# Altium PCB SUDA_V3S.PcbDoc (part 1 of 2)
Units mil, origin at the board's own origin, x right, y up, seen from the top; angles counter-clockwise.
Board outline 3937 x 1968.5 mil, 4 copper layers (TOP, GND02, PWR03, BOT), stack 61.4 mil thick; 147 components, 116 nets, 560 pads, 161 vias.
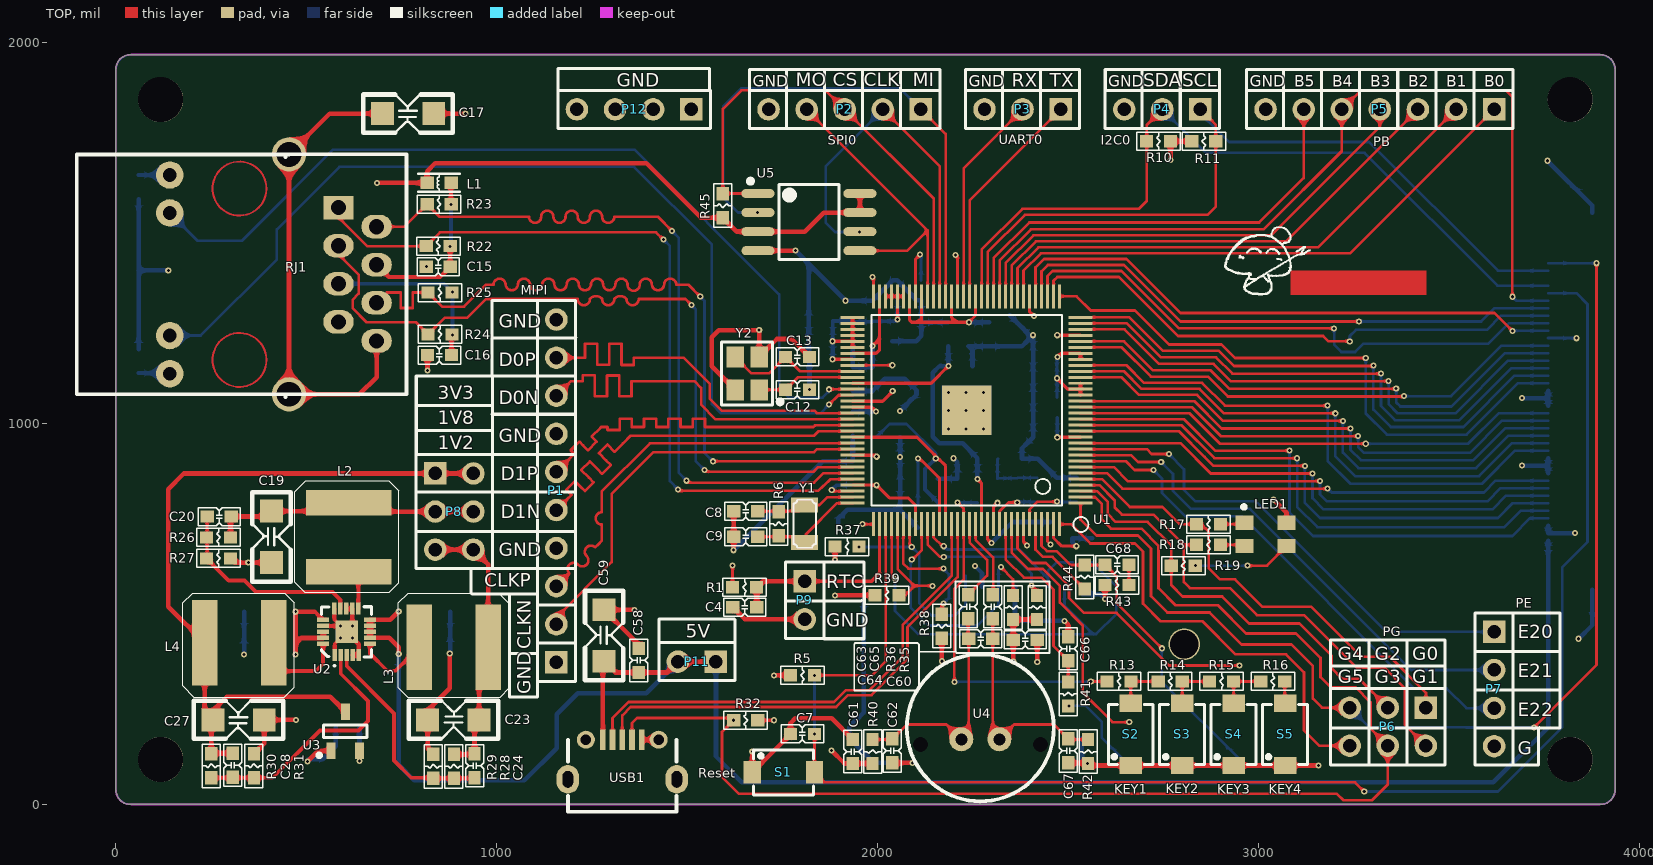
[diagram p0: TOP view]
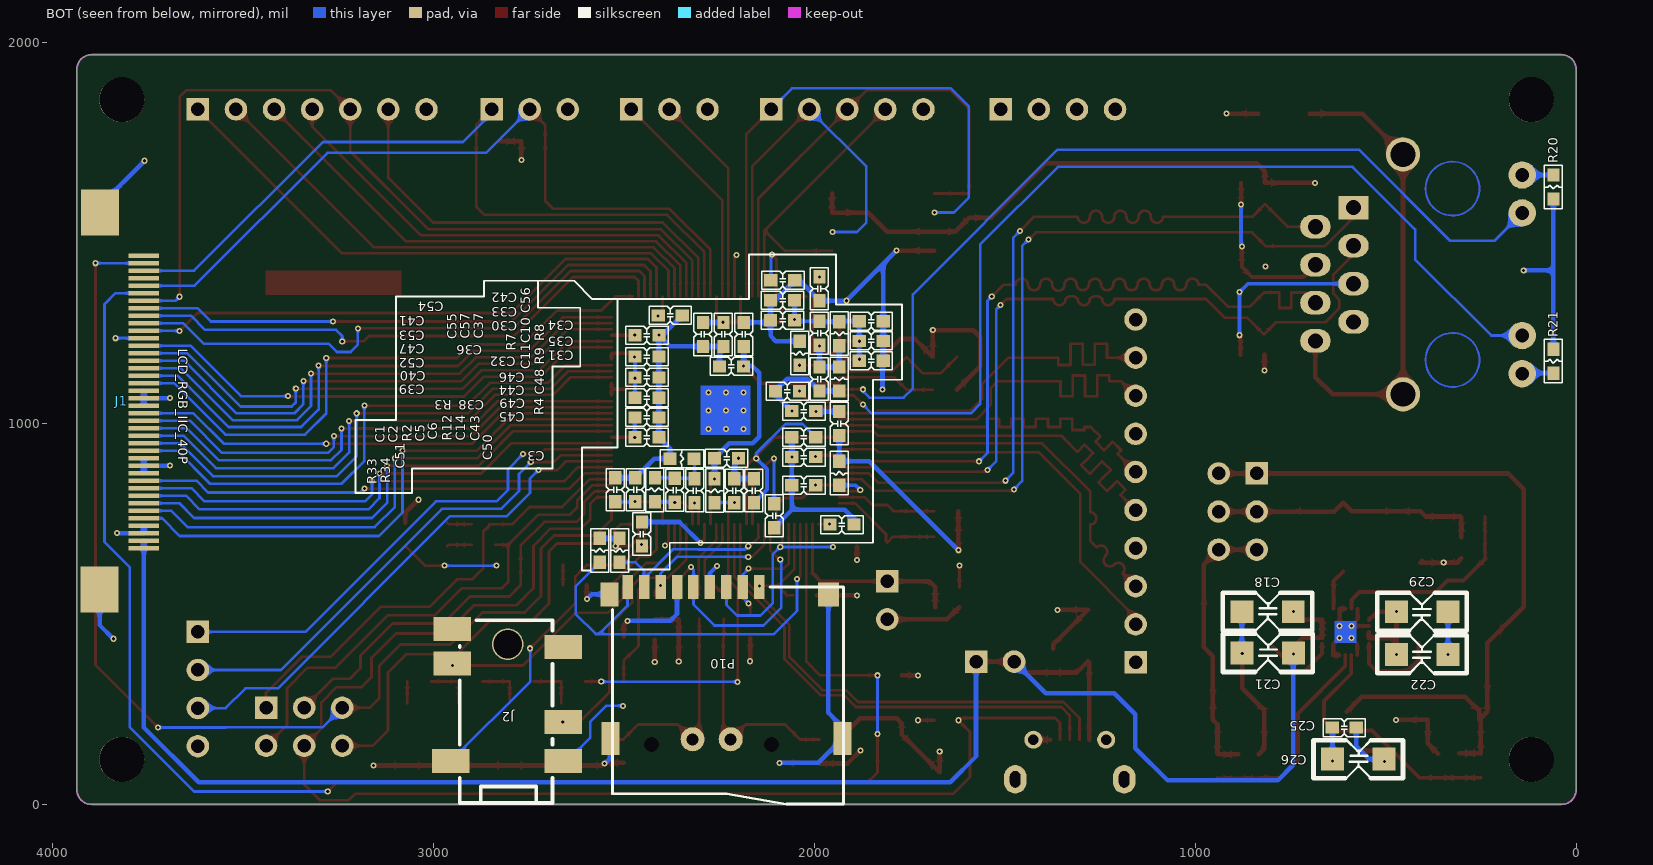
[diagram p1: BOT view, seen from below]
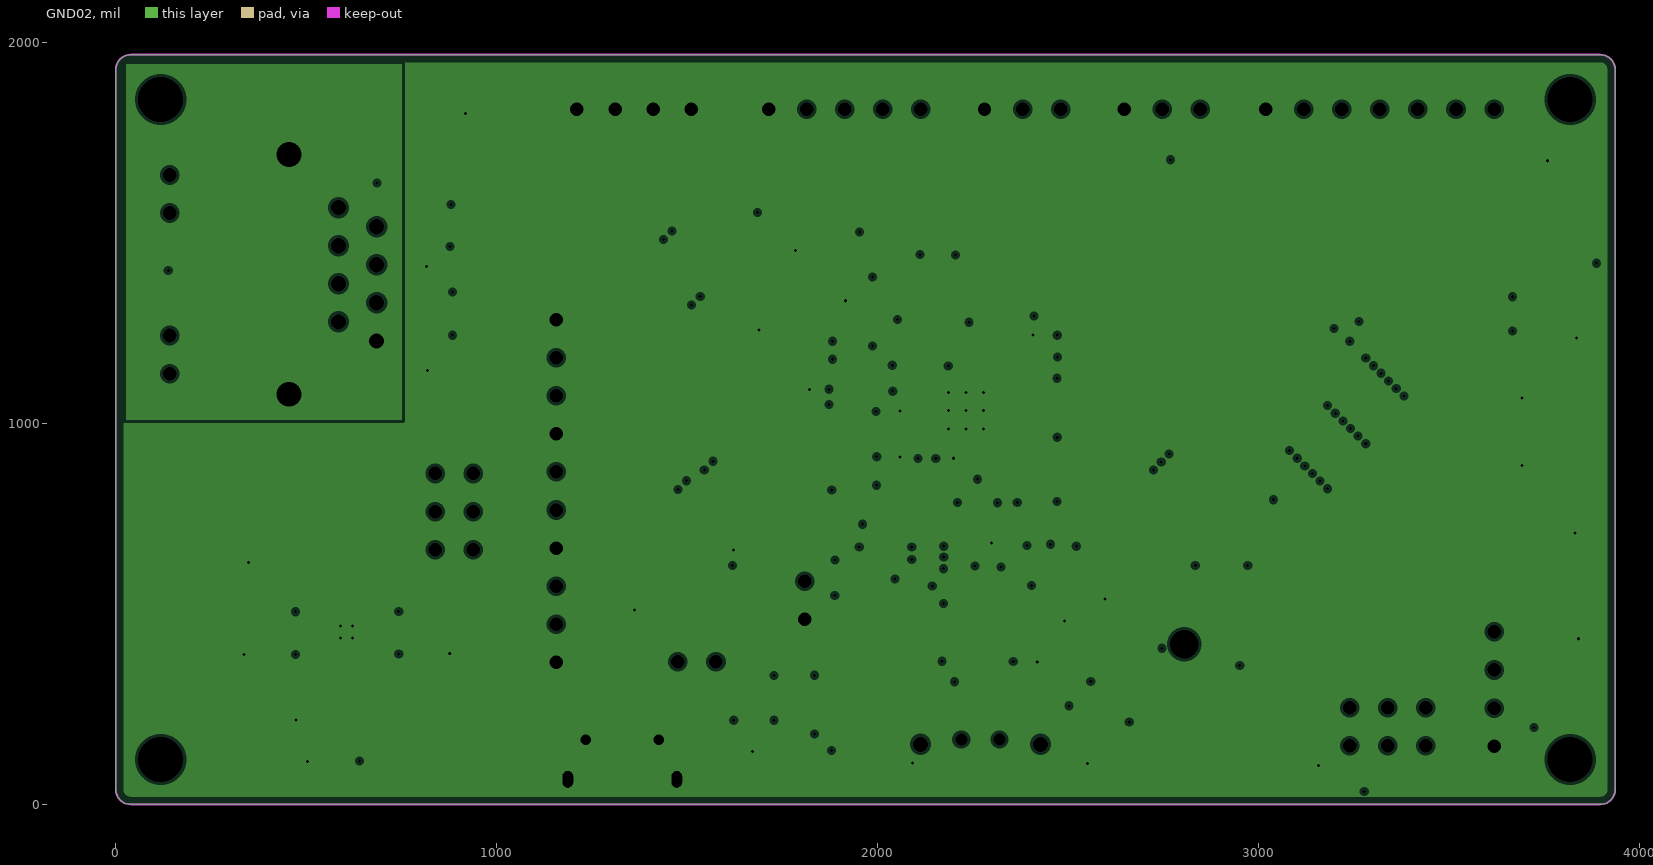
[diagram p2: GND02, clearances drawn from the general rule]
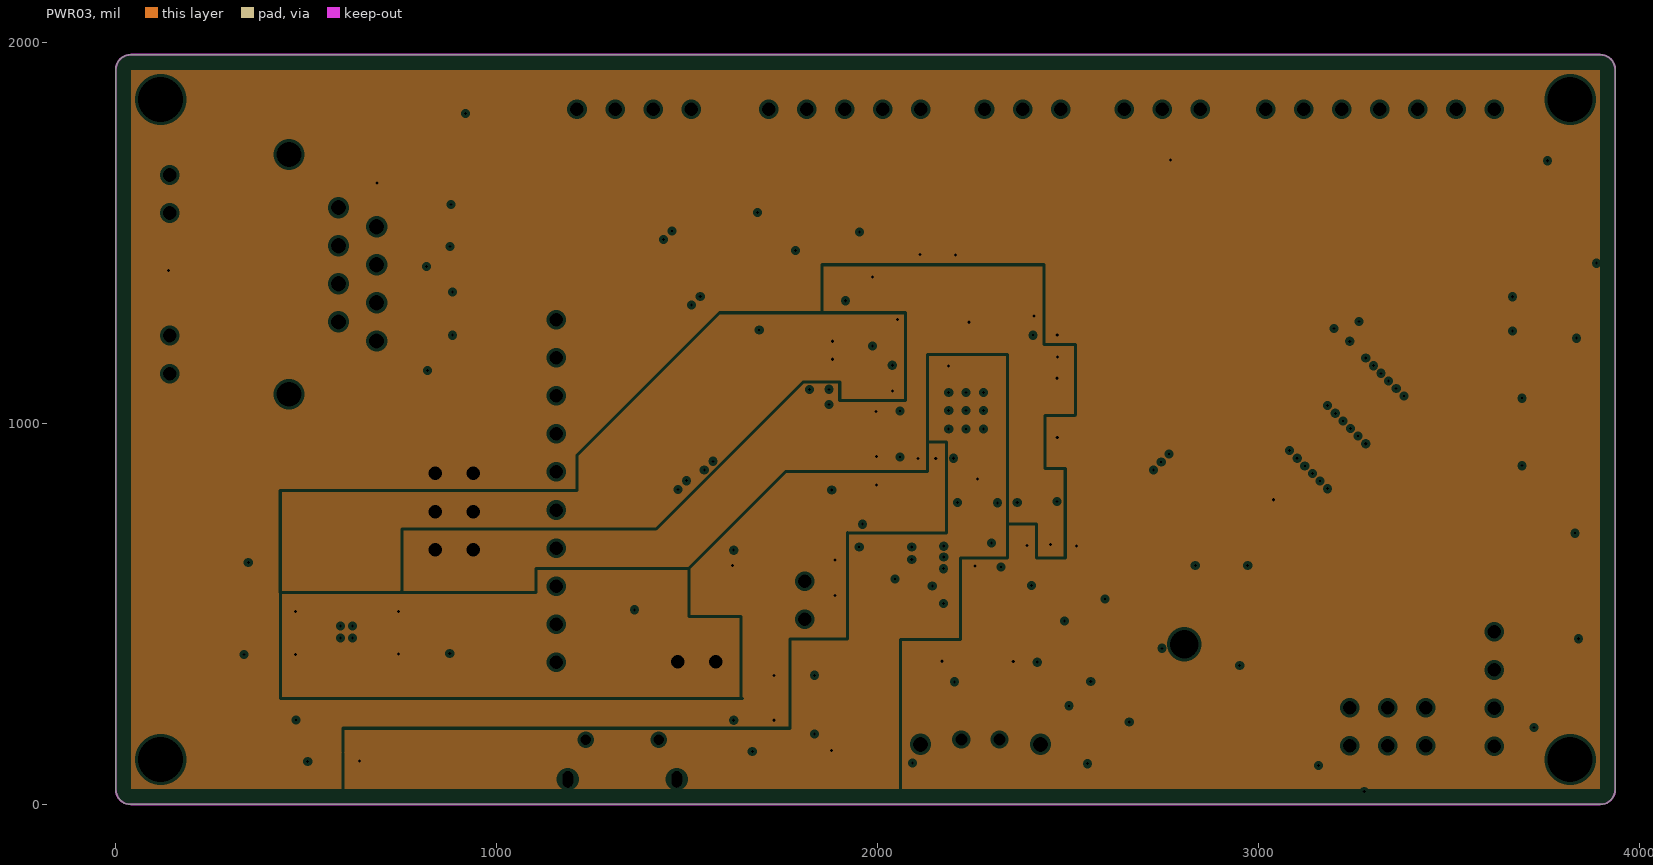
[diagram p3: PWR03, clearances drawn from the general rule]
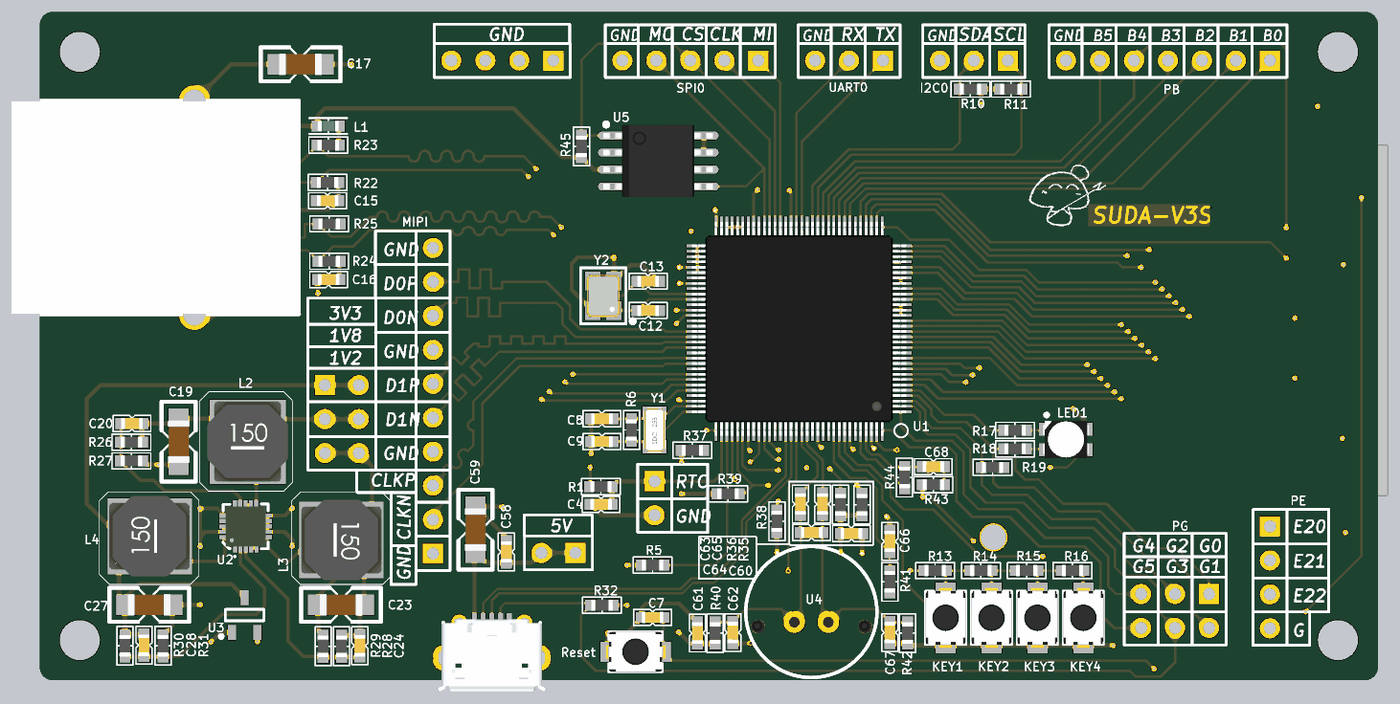
[diagram p5: 3D render of the assembled board from above, using the file's embedded part models]
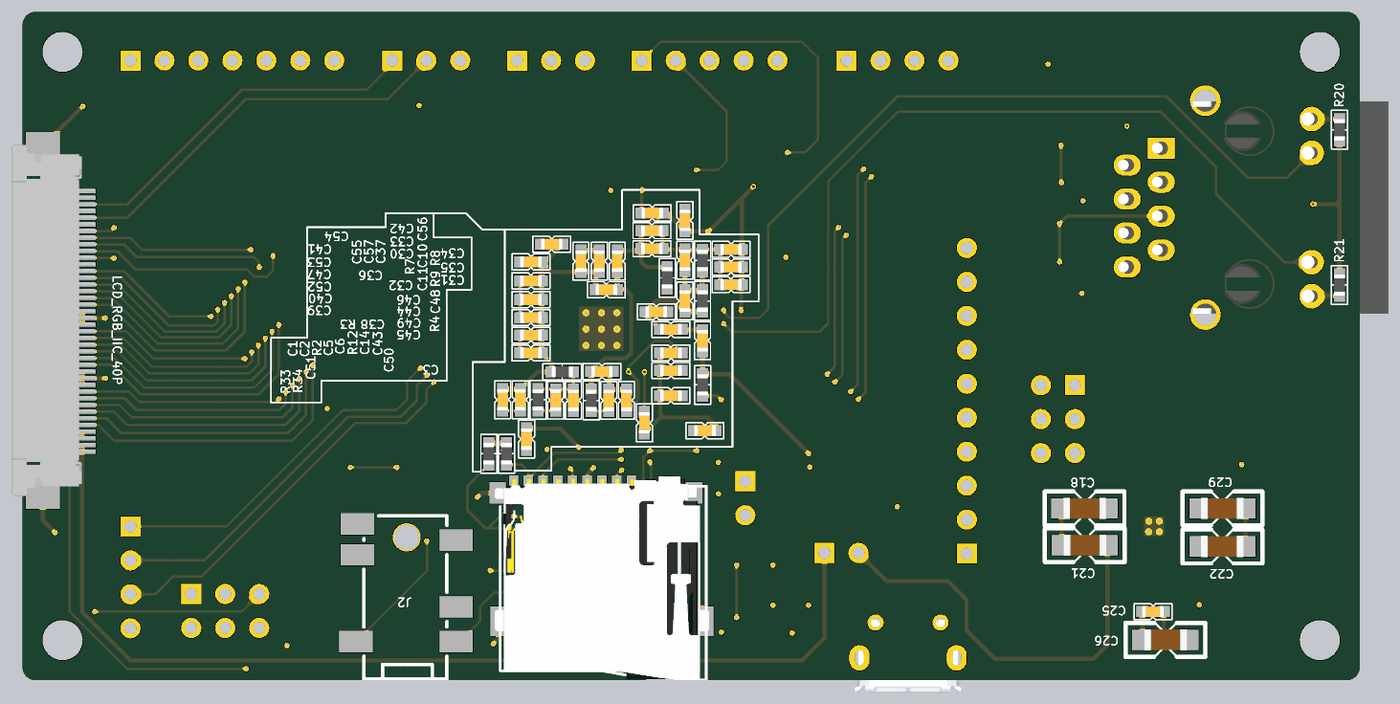
[diagram p6: 3D render of the assembled board from below, using the file's embedded part models]

## Layer stack, top to bottom
Top Solder: solder mask 0.4, Solder Resist, Dk 3.5
TOP: signal copper 1.4
PP1/2: prepreg 3.9, 3313, Dk 3.85
GND02: plane copper 1.4, net (Multiple Nets)
Core2/3: core 48, S1141, Dk 4.2
PWR03: plane copper 1.4, net (Multiple Nets)
PP3/4: prepreg 3.9, 3313, Dk 3.85
BOT: signal copper 1.4
Bottom Solder: solder mask 0.4, Solder Resist, Dk 3.5

## Board outline
0,39.37 0,1929.13 cw(c39.37,1929.13) 39.37,1968.5 3897.63,1968.5 cw(c3897.63,1929.13) 3937,1929.13 3937,39.37 cw(c3897.63,39.37) 3897.63,0 39.37,0 cw(c39.37,39.37)

## Design rules (kind name [scope] priority, off if disabled: settings)
Clearance EA3036 [(InComponent('U2') AND IsPad)] p1: gap=3
Clearance VIA-POLY [IsVia vs InPolygon] p2: gap=5
Clearance POLY-ALL [InPolygon] p3: gap=10
Clearance ALL [All] p4: gap=5
ComponentClearance [All] p1: gap=0 collisioncheckmode=3 verticalgap=0 showdistances=FALSE
DiffPairsRouting DiffPairsRouting_90Ohm [InDifferentialPairClass('90Ohm')] p1: maxlimit=6 minlimit=6 mostfreqgap=6 toplayer_minwidth=7 toplayer_maxwidth=7 toplayer_prefwidth=7 bottomlayer_minwidth=7 bottomlayer_maxwidth=7 bottomlayer_prefwidth=7 maxuncoupledlength=500
DiffPairsRouting DiffPairsRouting_100Ohm [InDifferentialPairClass('100Ohm')] p2: maxlimit=16 minlimit=16 mostfreqgap=16 toplayer_minwidth=7 toplayer_maxwidth=7 toplayer_prefwidth=7 bottomlayer_minwidth=7 bottomlayer_maxwidth=7 bottomlayer_prefwidth=7 maxuncoupledlength=500
HoleSize [All] p1: absolutevalues=TRUE maxlimit=120 minlimit=1 maxpercent=80.000 minpercent=20.000
HoleToHoleClearance [All] p1: gap=4 allowstackedmicrovias=TRUE
MinimumSolderMaskSliver [All] p1: minsoldermaskwidth=0
PlaneClearance [All] p1: clearance=8
PlaneConnect [All] p1: planeconnectstyle=Direct reliefexpansion=20 reliefentries=4 reliefconductorwidth=10 reliefairgap=10
PolygonConnect PolygonConnect-Via [IsVia] p1: connectstyle=Direct reliefconductorwidth=10 reliefentries=4 polygonreliefangle="90 Angle" airgapwidth=10
PolygonConnect PolygonConnect-All [All] p2: connectstyle=Relief reliefconductorwidth=15 reliefentries=4 polygonreliefangle="90 Angle" airgapwidth=10
RoutingVias [All] p1: holewidth=8 width=16 viastyle="Through Hole" minholewidth=8 minwidth=16 maxholewidth=8 maxwidth=16
SilkToSilkClearance [All] p1: silktosilkclearance=0
SilkToSolderMaskClearance [IsPad] p1: minsilkscreentomaskgap=0 clearancetoexposedcopper=TRUE
SolderMaskExpansion [All] p1: expansion=2.5
UnpouredPolygon [All] p1: allowunpoured=TRUE allowshelved=TRUE
Width Width-PWR [InNetClass('PWR')] p1: maxlimit=60 minlimit=8 preferedwidth=12
Width Width-ALL [All] p2: maxlimit=10 minlimit=7 preferedwidth=7
20 further rules are at their usual default settings.

## Classes and differential pairs
component class Core: C1 C2 C3 C4 C5 C6 C7 C8 C9 C10 C11 C12 C13 R1 R2 R3 R4 R5 R6 R7 R8 R9 S1 U1 Y1 Y2
component class LCD: J1
component class MIC&Headphone: C61 C62 C63 C64 C65 C66 C67 C68 J2 R40 R41 R42 R43 R44 U4
component class Misc: C14 LED1 P1 P2 P3 P4 P5 P6 P7 P8 P9 P11 P12 R10 R11 R12 R13 R14 R15 R16 R17 R18 R19 S2 S3 S4 S5
component class Network: C15 C16 C17 L1 R20 R21 R22 R23 R24 R25 RJ1
component class Power: C18 C19 C20 C21 C22 C23 C24 C25 C26 C27 C28 C29 C30 C31 C32 C33 C34 C35 C36 C37 C38 C39 C40 C41 C42 C43 C44 C45 C46 C47 C48 C49 C50 C51 C52 C53 C54 C55 C56 C57 L2 L3 L4 R26 R27 R28 R29 R30 R31 U2 U3
component class SD&USB: C58 C59 C60 P10 R32 R33 R34 R35 R36 R37 R38 R39 USB1
component class Storage: R45 U5
net class PWR: 1V2 1V8 3V0 3V3 5V EARTH GND SVREF VCC-RTC VRA1 VRA2
differential pair class 100Ohm: ETH_RX ETH_TX MCSI_CLK MCSI_D0 MCSI_D1
differential pair class 90Ohm: USB
differential pair ETH_RX: +ETH_RX_P -ETH_RX_N
differential pair ETH_TX: +ETH_TX_P -ETH_TX_N
differential pair MCSI_CLK: +MCSI_CLK_P -MCSI_CLK_N
differential pair MCSI_D0: +MCSI_D0_P -MCSI_D0_N
differential pair MCSI_D1: +MCSI_D1_P -MCSI_D1_N
differential pair USB: +USB_P -USB_N

## Components (designator, comment, footprint, x,y, rotation, side; value= is the part's Value field where it differs from the comment)
C1 "10uF" CAP-0603 2523,826 r90 bottom locked
C2 "0.1uF" CAP-0603 2471,826 r90 bottom locked
C3 "10uF" CAP-0603 1928,735 r0 bottom locked
C4 "0.1uF" CAP-0603 1651.57,518 r180 top locked
C5 "10uF" CAP-0603 2367,825 r90 bottom locked
C6 "1uF" CAP-0603 2315,824 r90 bottom locked
C7 "1uF" CAP-0603 1803,185 r180 top locked
C8 "12pF" CAP-0603 1654,770 r180 top locked
C9 "12pF" CAP-0603 1654,703 r180 top locked
C10 "0.1uF" CAP-0603 1987,1237 r270 bottom locked
C11 "0.1uF" CAP-0603 1987,1117 r270 bottom locked
C12 "20pF" CAP-0603 1790,1089 r0 top locked
C13 "20pF" CAP-0603 1790,1175 r0 top locked
C14 "1nF" CAP-0603 2211,824 r90 bottom locked
C15 "0.1uF" CAP-0603 847,1412 r0 top locked
C16 "0.1uF" CAP-0603 850,1180 r0 top locked
C17 "1nF" CAP-1206 835,1814 r180 top locked
C18 "10uF" CAP-1206 878,506 r180 bottom locked
C19 "10uF" CAP-1206 409,635 r90 top locked
C20 "18pF" CAP-0603 271.57,756 r180 top locked
C21 "10uF" CAP-1206 877.44,397.68 r180 bottom locked
C22 "10uF" CAP-1206 337,394 r0 bottom locked
C23 "10uF" CAP-1206 819,222 r0 top locked
C24 "18pF" CAP-0603 942,101.57 r270 top locked
C25 "0.1uF" CAP-0603 609,202 r180 bottom locked
C26 "10uF" CAP-1206 640,119 r180 bottom locked
C27 "10uF" CAP-1206 390,222 r180 top locked
C28 "18pF" CAP-0603 307,103 r270 top locked
C29 "10uF" CAP-1206 337,506 r0 bottom locked
C30 "10uF" CAP-0603 2084,1271 r0 bottom locked
C31 "0.1uF" CAP-0603 1851,1165 r180 bottom locked
C32 "0.1uF" CAP-0603 2071,1085 r0 bottom locked
C33 "0.1uF" CAP-0603 2084,1324 r0 bottom locked
C34 "0.1uF" CAP-0603 1851,1269 r180 bottom locked
C35 "0.1uF" CAP-0603 1851,1217 r180 bottom locked
C36 "10uF" CAP-0603 2218,1150 r0 bottom locked
C37 "0.1uF" CAP-0603 2186,1234 r90 bottom locked
C38 "0.1uF" CAP-0603 2231,909 r180 bottom locked
C39 "10uF" CAP-0603 2440,964 r180 bottom locked
C40 "0.1uF" CAP-0603 2440,1016 r180 bottom locked
C41 "0.1uF" CAP-0603 2440,1232 r180 bottom locked
C42 "0.1uF" CAP-0603 2083,1376 r180 bottom locked
C43 "0.1uF" CAP-0603 2159,824 r90 bottom locked
C44 "0.1uF" CAP-0603 2028,964 r0 bottom locked
C45 "0.1uF" CAP-0603 2028,838 r0 bottom locked
C46 "10uF" CAP-0603 2028,1033 r0 bottom locked
C47 "10uF" CAP-0603 2440,1121 r180 bottom locked
C48 "0.1uF" CAP-0603 1935,1000 r270 bottom locked
C49 "0.1uF" CAP-0603 2028,912 r0 bottom locked
C50 "0.1uF" CAP-0603 2106,758 r270 bottom locked
C51 "0.1uF" CAP-0603 2453,710 r90 bottom locked
C52 "0.1uF" CAP-0603 2440,1068 r180 bottom locked
C53 "0.1uF" CAP-0603 2440,1176 r180 bottom locked
C54 "0.1uF" CAP-0603 2379,1284 r180 bottom locked
C55 "0.1uF" CAP-0603 2293,1234 r270 bottom locked
C56 "0.1uF" CAP-0603 1987,1354 r270 bottom locked
C57 "0.1uF" CAP-0603 2239,1234 r270 bottom locked
C58 "0.1uF" CAP-0603 1373,378 r90 top locked
C59 "10uF" CAP-1206 1282,376 r90 top locked
C60 "0.1uF" CAP-0603 2388,432 r0 top locked
C61 "1uF" CAP-0603 1935,139 r270 top locked
C62 "30pF" CAP-0603 2039,140.57 r90 top locked
C63 "0.1uF" CAP-0603 2238,519 r90 top locked
C64 "100pF" CAP-0603 2271,435 r180 top locked
C65 "0.1uF" CAP-0603 2303,519 r90 top locked
C66 "1uF" CAP-0603 2501,409 r270 top locked
C67 "30pF" CAP-0603 2501,140.57 r90 top locked
C68 "0.1uF" CAP-0603 2629,629 r180 top locked
J1 "LCD_RGB_IIC_40P" FPC_40P 3761,1440.73 r180 bottom locked
J2 "PJ-316A" PJ-316A 2660,113.64 r0 bottom locked
L1 "Bead_0603" L-0603 849,1632 r180 top locked
L2 "2.2H" L-PWR-6028 612,702 r270 top locked
L3 "2.2H" L-PWR-6028 887,413 r180 top locked
L4 "2.2H" L-PWR-6028 324,424 r0 top locked
LED1 "LED-RGB" LED-RGB-3528 3019,709 r180 top locked
P1 "MIPI" HDR1X10 1157,373 r90 top locked
P2 "SPI0" HDR1X5 2114,1825 r180 top locked
P3 "UART0" HDR1X3 2481,1825 r180 top locked
P4 "I2C0" HDR1X3 2848,1825 r180 top locked
P5 "PB" HDR1X7 3619,1825 r180 top locked
P6 "PG" HDR2X3 3440,254 r180 top locked
P7 "PE" HDR1X4 3619,453 r270 top locked
P8 "Power1" HDR2X3 839,869 r270 top locked
P9 "RTC" HDR1X2 1809,586 r270 top locked
P10 "Micro SD" 7MSDP-B0-1012 2231.15,571.39 r180 bottom locked
P11 "Power2" HDR1X2 1576,375 r180 top locked
P12 "GND" HDR1X4 1511,1825 r180 top locked
R1 "0" RES-0603 1651,570 r180 top locked
R2 "200K" RES-0603 2419,826 r270 bottom locked
R3 "0" RES-0603 2348,908 r180 bottom locked
R4 "2.2K" RES-0603 1934.79,869.65 r90 bottom locked
R5 "47k" RES-0603 1803,339 r180 top locked
R6 "10M" RES-0603 1741,737 r90 top locked
R7 "240" RES-0603 2039,1185 r90 bottom locked
R8 "2K" RES-0603 1935,1236 r270 bottom locked
R9 "2K" RES-0603 1935,1117 r270 bottom locked
R10 "4.7K" RES-0603 2738,1741 r0 top locked
R11 "4.7K" RES-0603 2857,1741 r180 top locked
R12 "100K" RES-0603 2262.5,824 r90 bottom locked
R13 "6.8K" RES-0603 2634,323 r180 top locked
R14 "8.2K" RES-0603 2768.67,323 r180 top locked
R15 "10K" RES-0603 2903.33,323 r180 top locked
R16 "11K" RES-0603 3038,323 r180 top locked
R17 "4.7K" RES-0603 2869,736 r180 top locked
R18 "4.7K" RES-0603 2869,681.5 r180 top locked
R19 "4.7K" RES-0603 2803,627 r180 top locked
R20 "680" RES-0603 60,1621 r270 bottom locked
R21 "680" RES-0603 60,1164 r270 bottom locked
R22 "49.9" RES-0603 847,1466 r0 top locked
R23 "49.9" RES-0603 849,1576 r0 top locked
R24 "49.9" RES-0603 851.57,1234 r0 top locked
R25 "49.9" RES-0603 851.57,1344 r0 top locked
R26 "200K" RES-0603 270,701 r0 top locked